# KiCad board 8851_HW-U1-VCU118_REV2-0_071417.kicad_pcb (continued)
## Routing (per net, layer and track width the routed paths; a pad name or vN(x,y) marks a point on that pad's centre or on a via; arc(x,y) is an arc through that point) (continued)
RLD3_C3_72B_DQ68: length 108.9
  TOP w0.15: 70.69,119.75 v2(70.2,120.24) ; v2(93.74,67.76) 94.23,67.27
  16_SIG5 w0.087: v2(70.2,120.24) 69.91,120.24 69.4,120.75 68.97,120.75 68.71,121.01 68.71,121.43 68.54,121.59
  16_SIG5 w0.138: v2(93.74,67.76) 93.38,67.4 90.79,67.4 85.19,73 83.7,73 82.2,74.49 82.07,74.49 81,75.56 81,83.45 79.77,84.68 78.25,84.68 76.53,86.41 76.53,86.77 77.14,87.38 77.5,87.38 77.78,87.1 78.18,87.1 78.54,87.47 78.54,87.8 78.23,88.11 78.23,88.48 78.46,88.71 78.46,89.09 78.1,89.46 77.75,89.46 75.8,87.5 75.43,87.5 75.07,87.87 75.07,88.23 75.61,88.77 75.61,89.13 75.25,89.49 74.88,89.49 74.34,88.96 73.98,88.96 73.05,89.89 73.05,93.27 72.28,94.05 71.2,94.05 70.78,94.47 70.78,97.75 70.74,97.79 70.74,99.02 70.32,99.44 63.94,99.44 62.69,100.68 62.69,104.48 61.59,105.59 59.78,105.59 58.05,107.32 58.05,110.95 57.38,111.62 57.38,113 57.58,113.2 57.99,113.2 58.17,113.39 58.17,114.03 57.63,114.58 56.42,114.58 55.26,115.74 55.26,121.11 55.55,121.4 59.12,121.4 60.34,121.4 60.76,121.82 61.78,121.82 63.3,120.3 67.17,120.3 67.42,120.55 67.42,121.56 67.65,121.79 68.34,121.79 68.54,121.59
RLD3_C3_72B_DQ69: length 113.1
  TOP w0.15: 69.71,116.8 v2(69.21,117.29) ; v2(96.69,66.77) 97.18,66.28
  TOP w0.375: U1.D25 v2(118.34,84.49)
  16_SIG5 w0.087: 92.9,68.92 93.22,69.24 93.94,69.24 94.23,68.95 94.23,68.54 94.52,68.25 95.91,68.25 96.2,67.96 96.2,67.55 96.49,67.27 97.07,67.27 97.12,67.21 97.12,66.85 97.05,66.77 v2(96.69,66.77) ; 67.83,115.81 68.51,115.81 68.72,116.03 68.72,116.62 69.21,117.11 v2(69.21,117.29)
  16_SIG5 w0.138: 92.9,68.92 91.6,68.92 85.13,75.39 84.36,75.39 84.22,75.53 83.77,75.53 83.77,75.54 83.62,75.54 83.25,75.91 83.25,84.03 82.2,85.08 82.2,86.22 82.43,86.45 83.08,86.45 83.3,86.67 83.3,86.99 83.08,87.22 82.43,87.22 82.2,87.45 82.2,87.77 82.43,87.99 83.08,87.99 83.3,88.22 83.3,88.54 83.08,88.77 82.43,88.77 82.2,88.99 82.2,89.65 81.15,90.71 81.15,97.63 80.63,98.14 76.24,98.14 76.01,98.38 76.01,99.02 75.75,99.27 75.75,100.76 75.44,101.08 75.09,101.08 74.82,100.8 74.82,99.7 74.56,99.44 73.94,99.44 73.79,99.6 73.79,100.64 73.53,100.9 73.01,100.9 72.76,100.64 72.76,100.35 72.51,100.1 71.99,100.1 71.73,100.36 71.73,100.44 71.47,100.7 70.72,100.7 70.72,100.7 69.67,100.7 69.67,100.7 67.57,100.7 67.34,100.92 67.34,101.38 67.12,101.6 66.81,101.6 66.59,101.38 66.59,100.92 66.36,100.7 66.05,100.7 65.83,100.92 65.83,101.67 65.62,101.88 65.31,101.88 65.07,101.64 65.07,100.92 64.85,100.7 64.48,100.7 63.84,101.35 63.84,104.84 61.99,106.69 61.99,109.24 61.51,109.71 61.51,110.69 61.12,111.08 59.7,111.08 59.2,111.58 59.2,114.45 58.06,115.59 58.06,116.71 57.8,116.97 57.25,116.97 56.88,117.35 56.88,117.88 57.39,118.39 58.34,118.39 58.53,118.58 58.53,119 58.81,119.27 59.17,119.27 59.27,119.17 59.27,118.77 59.4,118.65 59.7,118.65 59.8,118.75 59.8,119.1 59.98,119.27 60.95,119.27 61.08,119.14 61.08,118.89 61.22,118.75 61.63,118.75 61.77,118.89 61.77,119.14 61.91,119.27 62.4,119.27 62.83,118.85 66.5,118.85 66.65,118.7 66.65,118.01 66.34,117.7 66.34,117.07 67.59,115.81 67.83,115.81
RLD3_C3_72B_DQ70: length 111.9
  TOP w0.15: v2(96.69,67.76) 97.18,67.27 ; 69.71,118.77 v2(69.21,119.26)
  16_SIG5 w0.087: 72.72,122.85 72.92,122.65 72.92,121.77 72.67,121.52 72.67,121.03 72.95,120.75 73.32,120.75 73.63,120.44 73.63,119.09 74.92,117.8 75.42,117.8 75.63,117.59 75.63,117.09 75.91,116.81 76.3,116.81 76.6,116.52 76.6,110.2 76.6,110.2 76.6,107.73 77.22,107.1 ; 70.69,121.51 70.69,121.02 70.98,120.73 71.42,120.73 71.68,120.47 71.68,120.02 71.4,119.75 70.98,119.75 70.69,119.46 70.69,119.05 70.4,118.77 70,118.77 69.5,119.26 v2(69.21,119.26) ; v2(96.69,67.76) 96.78,67.76 97.28,68.25 97.88,68.25 98.17,68.54 98.17,70.92 97.88,71.2 97.47,71.2 97.18,71.49 97.18,71.9 96.89,72.19 96.49,72.19 96.2,72.48 96.2,72.88 95.91,73.17 95.5,73.17 95.21,73.46 95.21,73.87 94.93,74.16 94.52,74.16 94.23,74.44 94.23,74.85 93.94,75.14 93.21,75.14 92.9,75.45
  16_SIG5 w0.138: 92.9,75.45 88.92,79.42 88.92,92.09 89.8,92.97 89.8,94.9 87.82,96.88 87.5,96.88 87.19,97.19 87.19,97.94 87.64,98.39 87.64,99.19 85.96,100.87 85.96,101.76 80.75,106.97 77.35,106.97 77.22,107.1 ; 70.69,121.51 70.69,122.23 69.83,123.1 67.33,123.1 66.79,122.56 63.77,122.56 62.6,123.72 59.61,123.72 58.8,124.53 58.8,127.08 59.35,127.62 61.12,127.62 61.65,127.1 64.03,127.1 64.47,126.65 66.22,126.65 67.92,124.95 70.62,124.95 72.72,122.85
RLD3_C3_72B_DQ71: length 111.3
  TOP w0.15: v2(95.71,66.77) 96.2,66.28 ; 68.72,115.81 v2(68.23,116.31)
  16_SIG5 w0.087: v2(95.71,66.77) 95.42,66.77 94.93,67.27 94.52,67.27 94.23,67.55 94.23,67.96 93.94,68.25 93.2,68.25 93.11,68.16 92.9,68.16 ; v2(68.23,116.31) 68.23,116.61 68.71,117.09 68.71,118.47 68.43,118.75 67.83,118.75
  16_SIG5 w0.138: 67.83,118.75 67.7,118.75 66.9,119.55 63.15,119.55 61.51,121.19 61.02,121.19 60.7,120.86 60.65,120.81 58.7,120.81 58.44,120.55 58.44,119.94 57.93,119.42 57.3,119.42 57.08,119.65 57.08,120.42 56.92,120.58 56.33,120.58 56.08,120.33 56.08,118.7 55.78,118.4 55.78,117.6 57.25,116.12 57.25,115.68 58.69,114.24 58.69,107.41 60,106.1 61.8,106.1 63.2,104.7 63.2,101.12 64.26,100.07 69.94,100.07 69.94,100.07 70.59,100.07 71.28,99.38 72.62,99.38 72.89,99.11 72.89,98.28 73.62,97.55 80.1,97.55 80.35,97.31 80.35,94.3 80.09,94.04 75.96,94.04 75.68,93.76 75.68,93.24 75.91,93.01 80.09,93.01 80.35,92.75 80.35,85.24 81.47,84.12 82.14,84.12 82.49,83.77 82.49,75.4 83.71,74.18 85.2,74.18 91.23,68.16 92.9,68.16
RLD3_C3_72B_QK0_N: length 140.4
  TOP w0.142: U141.E8 v2(93.73,117.44) ; 102.1,81.05 v2(101.61,81.54)
  20_SIG7 w0.105: 100.5,116.8 100.47,116.8 100.42,116.85 95.33,116.85 95.11,117.08 95.11,117.72 94.87,117.96 94.44,117.96 94.27,117.78 94.27,117.61 94.1,117.44 v2(93.73,117.44)
  20_SIG7 w0.128: 106.93,87.69 106.93,86.22 106.7,85.98 106.29,85.98 106.1,85.79 106.1,85.31 105.79,85 105.36,85 105.1,84.74 105.1,84.21 104.89,83.99 104.32,83.99 104.05,83.72 104.05,83.33 103.71,82.99 103.39,82.99 103.12,82.72 103.12,82.31 102.84,82.03 102.47,82.03 102.08,81.64 102.08,81.17 101.93,81.02 101.68,81.02 101.61,81.09 v2(101.61,81.54)
  20_SIG7 w0.138: 106.93,87.69 107.35,88.11 107.35,92.9 107.83,93.38 110.22,93.38 110.63,92.97 110.63,92.33 110.33,92.03 108.89,92.03 108.67,91.81 108.67,90 108.83,89.85 110.07,89.85 110.26,90.04 110.26,90.23 109.87,90.62 109.87,91.07 110.24,91.44 110.68,91.44 111.07,91.04 111.27,91.04 112.25,92.03 112.25,92.22 111.1,93.37 111.1,93.81 111.47,94.18 111.91,94.18 113.06,93.03 113.26,93.03 113.38,93.15 113.38,95.91 114.41,96.94 116.52,96.94 116.86,97.29 116.86,97.74 116.06,98.54 116.06,99.01 116.78,99.72 116.78,100.42 116.52,100.67 116.36,100.67 115.88,101.15 115.88,108.4 114.8,109.48 114.8,112.66 115.2,113.06 115.2,113.75 115.02,113.93 113.87,113.93 113.55,114.25 113.55,114.75 113.94,115.15 115.02,115.15 115.2,115.33 115.2,115.58 115.02,115.76 113.99,115.76 113.65,116.1 113.65,116.6 114.03,116.98 115.02,116.98 115.2,117.16 115.2,117.58 115.85,118.23 115.85,120.13 115.12,120.85 113.85,120.85 113.7,120.7 113.7,120.45 113.92,120.22 114.7,120.22 115.11,119.82 115.11,118.46 114.79,118.14 114.14,118.14 113.83,118.46 113.83,118.77 113.62,118.97 111.88,118.97 111.5,119.35 111.5,123 111.83,123.33 112.42,123.33 112.73,123.01 112.73,122.26 112.93,122.07 113.46,122.07 113.6,122.21 113.6,122.77 113.91,123.08 114.43,123.08 114.75,122.77 114.75,122.21 114.88,122.07 115.39,122.07 115.6,122.27 115.6,122.77 114.72,123.64 114.72,124.02 114.22,124.53 114.02,124.53 113.61,124.13 113.17,124.13 112.8,124.5 112.8,124.94 113.21,125.35 113.21,125.54 108.06,130.69 107.37,130.69 107.23,130.56 107.23,130.24 106.91,129.92 106.39,129.92 106.08,130.24 106.08,130.56 105.94,130.69 105.08,130.69 104.61,130.22 104.61,124.56 104.06,124.01 104.06,121.92 103.75,121.6 102.96,121.6 102.82,121.47 102.82,121.19 102.96,121.05 103.75,121.05 104.06,120.74 104.06,120.22 103.75,119.9 102.96,119.9 102.82,119.77 102.82,119.49 102.96,119.35 103.75,119.35 104.06,119.04 104.06,118.54 103.12,117.6 101.76,117.6 101.57,117.41 101.57,117.06 101.3,116.8 100.5,116.8
RLD3_C3_72B_QK0_P: length 140.3
  TOP w0.142: U141.D9 v2(94.71,118.43) ; 102.1,80.06 v2(101.61,80.55)
  20_SIG7 w0.105: 100.5,117.1 100.47,117.1 100.42,117.05 95.41,117.05 95.31,117.16 95.31,117.8 94.71,118.4 v2(94.71,118.43)
  20_SIG7 w0.128: 108.07,87.68 108.07,86.3 107.66,85.88 107.34,85.88 107.07,85.61 107.07,85.31 106.79,85.03 106.34,85.03 106.05,84.75 106.05,84.32 105.74,84.01 105.42,84.01 105.1,83.69 105.1,83.35 104.77,83.01 104.4,83.01 104.11,82.73 104.11,82.34 103.84,82.07 103.4,82.07 103.11,81.79 103.11,81.43 102.76,81.08 102.4,81.08 101.88,80.55 v2(101.61,80.55)
  20_SIG7 w0.138: 108.07,87.68 107.65,88.11 107.65,92.78 107.95,93.08 110.1,93.08 110.33,92.84 110.33,92.46 110.2,92.33 108.77,92.33 108.38,91.93 108.38,89.88 108.71,89.55 110.2,89.55 110.56,89.91 110.56,90.35 110.17,90.75 110.17,90.94 110.36,91.14 110.56,91.14 110.95,90.74 111.39,90.74 112.55,91.9 112.55,92.34 111.4,93.5 111.4,93.69 111.59,93.88 111.79,93.88 112.94,92.73 113.38,92.73 113.68,93.03 113.68,95.79 114.54,96.64 116.64,96.64 117.16,97.16 117.16,97.87 116.36,98.66 116.36,98.89 117.08,99.6 117.08,100.55 116.65,100.97 116.48,100.97 116.18,101.28 116.18,108.52 115.1,109.61 115.1,112.53 115.5,112.94 115.5,113.88 115.14,114.23 113.99,114.23 113.85,114.37 113.85,114.63 114.07,114.85 115.14,114.85 115.5,115.2 115.5,115.71 115.14,116.06 114.11,116.06 113.95,116.22 113.95,116.48 114.15,116.68 115.14,116.68 115.5,117.03 115.5,117.46 116.15,118.11 116.15,120.25 115.25,121.15 113.72,121.15 113.4,120.83 113.4,120.33 113.8,119.92 114.58,119.92 114.81,119.69 114.81,118.58 114.67,118.44 114.27,118.44 114.12,118.59 114.12,118.9 113.75,119.27 112,119.27 111.8,119.47 111.8,122.87 111.95,123.02 112.3,123.02 112.43,122.89 112.43,122.14 112.8,121.77 113.58,121.77 113.9,122.08 113.9,122.65 114.03,122.78 114.31,122.78 114.45,122.65 114.45,122.08 114.76,121.77 115.52,121.77 115.9,122.15 115.9,122.89 115.03,123.77 115.03,124.15 114.34,124.83 113.9,124.83 113.49,124.43 113.3,124.43 113.1,124.62 113.1,124.82 113.51,125.22 113.51,125.67 108.18,130.99 107.24,130.99 106.93,130.68 106.93,130.36 106.79,130.22 106.52,130.22 106.38,130.36 106.38,130.68 106.06,130.99 104.96,130.99 104.31,130.35 104.31,124.68 103.76,124.13 103.76,122.04 103.62,121.9 102.83,121.9 102.52,121.59 102.52,121.07 102.83,120.75 103.62,120.75 103.76,120.62 103.76,120.34 103.62,120.2 102.83,120.2 102.52,119.89 102.52,119.37 102.83,119.05 103.62,119.05 103.76,118.92 103.76,118.66 103,117.9 101.63,117.9 101.27,117.54 101.27,117.19 101.18,117.1 100.5,117.1
RLD3_C3_72B_QK1_N: length 142
  TOP w0.142: U141.J8 v2(93.73,112.52) ; v2(97.67,75.63) 98.17,75.14
  18_SIG6 w0.105: v2(93.73,112.52) 93.83,112.63 94.18,112.63 94.27,112.54 94.27,112.25 94.14,112.12 93.4,112.12 92.96,111.69 92.96,111.33 92.94,111.3 92.94,111.28 ; 100.13,83.22 100.13,83.01 100.02,82.89 100.02,82.37 99.8,82.15 99.37,82.15 99.05,81.82 99.05,81.33 98.86,81.14 98.38,81.14 98.07,80.83 98.07,80.37 97.86,80.16 97.36,80.16 97.08,79.89 97.08,79.36 96.9,79.18 96.41,79.18 96.1,78.86 96.1,77.28 96.37,77.01 96.9,77.01 97.08,76.82 97.08,76.33 97.39,76.03 97.93,76.03 98.07,75.89 98.07,75.74 97.96,75.63 v2(97.67,75.63)
  18_SIG6 w0.106: 92.94,111.28 92.94,107.36 93.5,106.81 93.5,106.77 93.52,106.75
  18_SIG6 w0.128: 100.13,83.22 100.13,85.72 100.35,85.94 100.81,85.94 101.08,86.21 101.08,86.8 101.23,86.95 101.82,86.95 102.1,87.24 102.1,87.67
  18_SIG6 w0.138: 102.1,87.67 102.45,88.03 102.45,88.3 102.88,88.72 104.05,88.72 104.23,88.9 104.23,89.22 103.97,89.47 103.06,89.47 102.8,89.73 102.8,90.27 103.15,90.62 104.5,90.62 104.65,90.78 104.65,91.35 104.42,91.58 103.15,91.58 102.9,91.83 102.9,92.47 103.17,92.75 103.98,92.75 104.23,93 104.23,93.32 103.75,93.8 101.53,93.8 101.35,93.62 101.35,92.9 101.42,92.83 101.8,92.83 102.17,92.45 102.17,91.75 101.77,91.35 101.48,91.35 101.35,91.22 101.35,90.7 101.45,90.6 101.77,90.6 102.17,90.2 102.17,88.98 101.15,87.95 99.6,87.95 98.78,88.78 98.78,89.69 100.03,90.94 100.03,93.09 99.82,93.3 98.44,93.3 98.06,93.68 98.06,94.34 98.44,94.72 100.34,94.72 100.51,94.89 100.51,95.3 100.28,95.54 98.89,95.54 98.53,95.9 98.53,98.15 98.37,98.31 98.31,98.31 97.92,98.69 97.92,99.35 98.31,99.73 98.37,99.73 98.57,99.93 98.57,102.84 99.02,103.29 100.49,103.29 101.15,102.62 101.97,102.62 102.26,102.91 102.26,103.14 101.31,104.08 101.31,104.58 101.75,105.01 102.22,105.01 103.46,103.77 103.71,103.77 104.11,104.18 104.11,104.45 103.42,105.14 103.42,106.09 105.02,107.68 105.02,108.87 106.25,110.1 106.25,111.09 106.8,111.63 106.8,112.12 106.29,112.62 106.29,113.36 106.8,113.87 106.8,114.36 106.29,114.86 106.29,119.12 105.89,119.52 105.38,119.52 104.72,120.18 104.72,120.84 103.22,122.34 102.95,122.34 102.77,122.16 102.77,121.25 102.99,121.02 103.67,121.02 104.03,120.67 104.03,120.03 103.47,119.47 103.47,118.67 104.31,117.83 104.77,117.83 105.15,117.45 105.15,116.79 104.77,116.41 104.04,116.41 103.85,116.22 103.85,115.2 104.07,114.97 105.01,114.97 105.39,114.59 105.39,113.93 105.01,113.55 104.07,113.55 103.93,113.41 103.93,112.99 104.66,112.26 105.08,112.26 105.51,111.84 105.51,110.94 105.13,110.56 104.31,110.56 104.11,110.36 104.11,108.57 99.68,104.14 99.14,104.14 98.83,104.45 98.83,104.83 98.7,104.95 98.17,104.95 98.08,104.85 98.08,104.47 97.74,104.14 97.16,104.14 96.62,104.68 95.92,104.68 95.44,105.16 95.44,105.67 94.99,106.12 94.15,106.12 93.52,106.75
RLD3_C3_72B_QK1_P: length 141.9
  TOP w0.142: v2(98.66,75.63) 99.15,75.14 ; U141.K9 v2(94.71,111.54)
  18_SIG6 w0.105: 100.36,82.95 100.22,82.81 100.22,82.28 99.88,81.95 99.45,81.95 99.25,81.74 99.25,81.25 98.95,80.94 98.46,80.94 98.27,80.75 98.27,80.28 97.95,79.96 97.44,79.96 97.28,79.8 97.28,79.28 96.98,78.98 96.49,78.98 96.3,78.78 96.3,77.37 96.46,77.21 96.98,77.21 97.28,76.9 97.28,76.41 97.47,76.23 98.01,76.23 98.27,75.97 98.27,75.74 98.37,75.63 v2(98.66,75.63) ; v2(94.71,111.54) 94.32,111.92 93.48,111.92 93.16,111.61 93.16,111.33 93.19,111.3 93.19,111.28
  18_SIG6 w0.106: 93.73,106.96 93.71,106.98 93.67,106.98 93.19,107.47 93.19,111.28
  18_SIG6 w0.128: 100.36,82.95 100.42,83.01 100.97,83.01 101.12,83.17 101.12,85.68 101.41,85.97 101.82,85.97 102.1,86.26 102.1,86.66 102.39,86.95 102.8,86.95 103.09,87.24 103.09,87.65
  18_SIG6 w0.138: 93.73,106.96 94.27,106.42 95.12,106.42 95.74,105.79 95.74,105.28 96.05,104.98 96.75,104.98 97.29,104.44 97.61,104.44 97.78,104.6 97.78,104.97 98.05,105.25 98.83,105.25 99.12,104.95 99.12,104.58 99.26,104.44 99.55,104.44 103.81,108.69 103.81,110.48 104.19,110.86 105,110.86 105.21,111.07 105.21,111.71 104.96,111.96 104.54,111.96 103.63,112.87 103.63,113.53 103.95,113.85 104.89,113.85 105.09,114.05 105.09,114.46 104.88,114.67 103.95,114.67 103.55,115.07 103.55,116.35 103.91,116.71 104.64,116.71 104.85,116.91 104.85,117.32 104.64,117.53 104.19,117.53 103.17,118.55 103.17,119.59 103.72,120.15 103.72,120.55 103.55,120.72 102.87,120.72 102.47,121.12 102.47,122.28 102.83,122.64 103.35,122.64 105.02,120.97 105.02,120.3 105.51,119.82 106.02,119.82 106.59,119.25 106.59,114.99 107.1,114.48 107.1,113.74 106.59,113.24 106.59,112.75 107.1,112.24 107.1,111.5 106.55,110.96 106.55,109.98 105.32,108.74 105.32,107.56 103.72,105.96 103.72,105.27 104.41,104.58 104.41,104.05 103.83,103.47 103.34,103.47 102.1,104.71 101.87,104.71 101.61,104.46 101.61,104.21 102.56,103.26 102.56,102.79 102.09,102.32 101.03,102.32 100.36,102.99 99.14,102.99 98.87,102.72 98.87,99.81 98.49,99.43 98.43,99.43 98.22,99.22 98.22,98.81 98.43,98.61 98.49,98.61 98.83,98.27 98.83,96.02 99.01,95.84 100.4,95.84 100.81,95.42 100.81,94.77 100.46,94.42 98.57,94.42 98.36,94.21 98.36,93.8 98.57,93.6 99.95,93.6 100.33,93.22 100.33,90.82 99.08,89.57 99.08,88.9 99.72,88.25 101.03,88.25 101.88,89.1 101.88,90.08 101.65,90.3 101.33,90.3 101.05,90.58 101.05,91.34 101.36,91.65 101.65,91.65 101.88,91.88 101.88,92.33 101.67,92.52 101.3,92.52 101.05,92.77 101.05,93.75 101.4,94.1 103.87,94.1 104.53,93.45 104.53,92.88 104.1,92.45 103.3,92.45 103.2,92.35 103.2,91.95 103.27,91.88 104.55,91.88 104.95,91.47 104.95,90.65 104.62,90.32 103.28,90.32 103.1,90.15 103.1,89.86 103.18,89.77 104.1,89.77 104.53,89.35 104.53,88.78 104.17,88.42 103,88.42 102.75,88.18 102.75,87.98 103.09,87.65
RLD3_C3_72B_QK2_N: length 139
  TOP w0.142: v2(96.69,80.55) 97.18,80.06 ; U141.E6 v2(90.78,117.44)
  16_SIG5 w0.105: 95.32,107.6 94.69,107.6 94.67,107.62 94.47,107.62 94.1,107.99 93.06,107.99 92.08,108.98 90.52,108.98 90.18,109.31 90.18,114.13 91.17,115.11 91.17,117.67 91,117.84 90.33,117.84 90.27,117.78 90.27,117.54 90.37,117.44 v2(90.78,117.44)
  16_SIG5 w0.106: 95.32,107.6 95.8,107.6 96.59,106.81 96.59,106.77 96.61,106.75
  16_SIG5 w0.128: 97.3,87.87 97.18,87.76 97.18,80.65 97.08,80.55 v2(96.69,80.55)
  16_SIG5 w0.138: 96.61,106.75 96.92,106.43 96.92,105.67 97.65,104.95 100.09,104.95 101.05,105.9 101.05,108.4 100.47,108.97 100.47,109.37 101.08,109.97 101.08,110.61 100.47,111.21 100.47,111.61 101.08,112.21 101.08,112.96 100.5,113.53 100.5,113.95 101.08,114.53 101.08,115.2 100.5,115.77 100.5,116.19 101.08,116.77 101.08,117.44 100.5,118.01 100.5,118.39 101.08,118.96 101.08,119.92 100.62,120.38 99.67,120.38 99.5,120.55 99.5,121.2 99.68,121.38 101.35,121.38 101.77,121.8 102.4,121.8 102.91,122.31 102.91,123.12 102.61,123.42 99.28,123.42 99.14,123.56 99.14,124.97 99.64,125.46 100.32,125.46 100.45,125.33 100.45,124.26 100.77,123.95 101.29,123.95 101.6,124.26 101.6,125.33 101.74,125.46 102.43,125.46 103.19,126.22 103.19,127.29 103.36,127.46 104.07,127.46 104.23,127.3 104.23,127.1 103.91,126.78 103.91,126.34 104.28,125.97 104.73,125.97 105.04,126.29 105.24,126.29 106.88,124.65 106.88,121.77 106.26,121.16 106.26,120.5 106.64,120.12 106.7,120.12 106.88,119.94 106.88,119.48 106.74,119.34 106.04,119.34 105.72,119.03 105.72,118.37 106.04,118.05 106.74,118.05 106.88,117.91 106.88,116.21 106.64,115.97 105.5,115.97 105.17,116.3 105.17,116.54 104.86,116.85 104.3,116.85 103.8,116.35 103.8,114.75 104.31,114.24 106.66,114.24 106.85,114.05 106.85,113.43 106.62,113.19 104.9,113.19 104.55,112.84 104.55,111.91 104.94,111.52 106.73,111.52 106.88,111.37 106.88,111.07 106.71,110.9 104.61,110.9 103.31,109.6 103.31,108.41 103.61,108.11 104.35,108.11 104.5,107.96 104.5,105.3 101.57,102.37 98.89,102.37 98.58,102.06 98.58,101.34 99.16,100.75 99.78,100.75 100.03,100.5 100.03,99.7 100.41,99.31 100.52,99.31 100.72,99.11 100.72,98.73 100.49,98.49 100.41,98.49 100.03,98.11 100.03,97.14 99.82,96.94 99.68,96.94 99.3,96.55 99.3,95.9 99.68,95.52 100.17,95.52 100.42,95.26 100.42,94.85 100.27,94.69 99.68,94.69 99.3,94.31 99.3,93.66 99.68,93.27 99.82,93.27 100.03,93.07 100.03,91.57 98.69,90.24 97.48,89.03 97.48,88.05 97.3,87.87
RLD3_C3_72B_QK2_P: length 139.3
  TOP w0.142: U141.D5 v2(89.79,118.43) ; 98.17,80.06 v2(97.67,80.55)
  16_SIG5 w0.105: v2(89.79,118.43) 90.18,118.04 91.08,118.04 91.37,117.76 91.37,115.03 90.38,114.05 90.38,109.4 90.6,109.18 92.16,109.18 93.15,108.19 94.18,108.19 94.55,107.82 94.67,107.82 94.69,107.84 95.32,107.84
  16_SIG5 w0.106: 95.32,107.84 95.9,107.84 96.76,106.98 96.8,106.98 96.82,106.96
  16_SIG5 w0.128: 97.99,87.94 98.16,87.77 98.16,81.34 97.67,80.85 v2(97.67,80.55)
  16_SIG5 w0.138: 97.99,87.94 97.78,88.16 97.78,88.9 100.33,91.45 100.33,93.19 99.94,93.58 99.81,93.58 99.6,93.78 99.6,94.19 99.81,94.39 100.39,94.39 100.72,94.73 100.72,95.38 100.29,95.81 99.81,95.81 99.6,96.02 99.6,96.43 99.81,96.63 99.94,96.63 100.33,97.02 100.33,97.99 100.53,98.19 100.61,98.19 101.03,98.61 101.03,99.23 100.64,99.61 100.53,99.61 100.33,99.82 100.33,100.62 99.9,101.05 99.29,101.05 98.88,101.46 98.88,101.94 99.01,102.07 101.69,102.07 104.8,105.18 104.8,108.08 104.47,108.41 103.73,108.41 103.61,108.53 103.61,109.47 104.73,110.6 106.83,110.6 107.17,110.94 107.17,111.5 106.85,111.82 105.06,111.82 104.85,112.04 104.85,112.72 105.03,112.89 106.74,112.89 107.15,113.3 107.15,114.17 106.78,114.54 104.43,114.54 104.1,114.88 104.1,116.22 104.42,116.55 104.74,116.55 104.88,116.41 104.88,116.17 105.38,115.67 106.76,115.67 107.17,116.09 107.17,118.04 106.86,118.35 106.16,118.35 106.03,118.49 106.03,118.9 106.16,119.04 106.86,119.04 107.17,119.35 107.17,120.07 106.82,120.42 106.76,120.42 106.56,120.62 106.56,121.03 107.17,121.65 107.17,124.77 105.36,126.59 104.92,126.59 104.6,126.27 104.41,126.27 104.21,126.46 104.21,126.66 104.53,126.98 104.53,127.42 104.19,127.76 103.23,127.76 102.89,127.42 102.89,126.34 102.31,125.76 101.62,125.76 101.3,125.45 101.3,124.39 101.17,124.25 100.89,124.25 100.75,124.39 100.75,125.45 100.44,125.76 99.51,125.76 98.84,125.09 98.84,123.43 99.15,123.12 102.48,123.12 102.61,122.99 102.61,122.43 102.27,122.1 101.65,122.1 101.23,121.68 99.51,121.68 99.2,121.37 99.2,120.42 99.55,120.08 100.5,120.08 100.78,119.8 100.78,119.13 100.17,118.53 100.17,117.92 100.78,117.31 100.78,116.89 100.17,116.29 100.17,115.68 100.78,115.07 100.78,114.65 100.17,114.05 100.17,113.44 100.78,112.83 100.78,112.33 100.14,111.7 100.14,111.07 100.78,110.44 100.78,110.09 100.14,109.46 100.14,108.83 100.75,108.23 100.75,106.02 99.97,105.25 97.77,105.25 97.22,105.8 97.22,106.56 96.82,106.96
RLD3_C3_72B_QK3_N: length 140.6
  TOP w0.142: U141.J6 v2(90.78,112.52) ; 96.2,78.09 v2(95.71,78.59)
  14_SIG4 w0.105: v2(90.78,112.52) 91.17,112.13 92.19,112.13 92.45,111.87 92.45,110.78 93.07,110.16 99.99,110.16 100.18,110.35 100.18,110.75 100.13,110.8 100.13,110.83 ; 100.32,82.83 100.24,82.76 100.24,82.31 99.88,81.95 99.41,81.95 99.25,81.79 99.25,81.28 98.92,80.95 98.41,80.95 98.27,80.8 98.27,78.34 97.92,77.99 96.3,77.99 v2(95.71,78.59)
  14_SIG4 w0.128: 100.32,82.83 100.48,83 100.82,83 101.17,83.35 101.17,83.73 101.43,84 101.74,84 102.04,84.3 102.04,84.64 102.41,85.02 102.76,85.02 103.02,85.27 103.02,87.76 102.74,88.03
  14_SIG4 w0.138: 102.74,88.03 102.74,88.37 103.94,89.57 103.94,91.22 105.47,92.75 105.47,94.31 104.05,95.73 104.05,96.8 103.3,97.55 103.3,98.02 104.95,99.67 104.95,100.35 106.33,101.72 106.33,102.5 106.92,103.1 107.89,103.1 108.46,103.66 108.46,105.5 108.18,105.77 108.18,106.28 110.15,108.25 110.15,110.67 111,111.52 111,121.32 103.02,129.31 100.91,129.31 100.67,129.54 100.67,130.17 100.3,130.54 99.64,130.54 99.33,130.23 99.33,129.44 99.19,129.3 98.91,129.3 98.78,129.43 98.78,130.23 98.46,130.54 97.94,130.54 97.63,130.23 97.63,129.76 97.49,129.62 97.22,129.62 97.08,129.76 97.08,130.23 96.76,130.54 95.36,130.54 95.04,130.23 95.04,129.8 94.91,129.66 94.63,129.66 94.49,129.8 94.49,130.23 94.18,130.54 93.66,130.54 93.34,130.23 93.34,129.8 93.21,129.66 92.93,129.66 92.79,129.8 92.79,130.23 92.48,130.54 90.24,130.54 88.75,129.05 87.92,129.05 87.08,128.2 87.08,125.98 86.91,125.81 82.62,125.81 82.27,125.46 82.27,124.87 82.7,124.45 87.52,124.45 88.35,123.62 91.11,123.62 91.38,123.35 91.38,122.75 92.25,121.88 98.88,121.88 99.34,121.41 99.34,120.56 100.13,119.77 100.13,110.83
RLD3_C3_72B_QK3_P: length 140.7
  TOP w0.142: 97.18,78.09 v2(96.69,78.59) ; U141.K5 v2(89.79,111.54)
  14_SIG4 w0.105: 100.43,110.83 100.43,110.8 100.38,110.75 100.38,110.27 100.07,109.96 92.99,109.96 92.25,110.7 92.25,111.79 92.11,111.93 91.08,111.93 90.89,112.12 90.53,112.12 89.94,111.54 v2(89.79,111.54) ; v2(96.69,78.59) 96.58,78.7 96.26,78.7 96.15,78.59 96.15,78.43 96.38,78.19 97.84,78.19 98.07,78.42 98.07,80.89 98.33,81.15 98.83,81.15 99.05,81.36 99.05,81.87 99.33,82.15 99.8,82.15 100.04,82.39 100.04,83.01 ; 91.91,122.64 92.37,122.17
  14_SIG4 w0.128: 100.04,83.01 100.04,83.67 100.37,84 100.91,84 101.17,84.26 101.17,84.78 101.36,84.96 101.81,84.96 102.12,85.28 102.12,87.72 102.44,88.03
  14_SIG4 w0.138: 102.44,88.03 102.44,88.49 103.64,89.69 103.64,91.34 105.17,92.88 105.17,94.18 103.75,95.61 103.75,96.68 103,97.43 103,98.15 104.65,99.8 104.65,100.47 106.03,101.85 106.03,102.62 106.8,103.4 107.76,103.4 108.16,103.79 108.16,105.37 107.88,105.65 107.88,106.4 109.85,108.38 109.85,110.8 110.7,111.65 110.7,121.2 102.89,129.01 100.79,129.01 100.37,129.42 100.37,130.04 100.18,130.24 99.77,130.24 99.63,130.1 99.63,129.32 99.31,129 98.79,129 98.48,129.31 98.48,130.1 98.34,130.24 98.07,130.24 97.93,130.1 97.93,129.63 97.61,129.32 97.09,129.32 96.78,129.63 96.78,130.1 96.64,130.24 95.48,130.24 95.34,130.1 95.34,129.67 95.03,129.36 94.51,129.36 94.19,129.67 94.19,130.1 94.06,130.24 93.78,130.24 93.64,130.1 93.64,129.67 93.33,129.36 92.81,129.36 92.49,129.67 92.49,130.1 92.36,130.24 90.37,130.24 88.88,128.75 88.05,128.75 87.38,128.08 87.38,125.85 87.03,125.51 82.74,125.51 82.57,125.33 82.57,125 82.82,124.75 87.64,124.75 88.48,123.92 91.24,123.92 91.68,123.47 91.68,122.87 91.91,122.64 ; 92.37,122.17 99,122.17 99.64,121.54 99.64,120.69 100.43,119.89 100.43,110.83
RLD3_C3_72B_QK4_N: length 120.3
  TOP w0.142: v2(107.52,67.76) 108.01,67.27 ; 76.6,113.85 v2(77.09,113.35)
  14_SIG4 w0.105: v2(107.52,67.76) 107.57,67.76 108.17,68.35 108.77,68.35 109.09,68.03 109.09,65.23 108.11,64.25 108.11,63.52 107.82,63.23 107.3,63.23 107.12,63.05 107.12,61.57 106.82,61.26 93.47,61.26 93.16,61.58 92.94,61.58 92.9,61.54 ; 73.8,107.33 73.87,107.33 74.42,107.89 74.42,111.64 74.76,111.98 77.27,111.98 77.48,112.19 77.48,112.96 v2(77.09,113.35)
  14_SIG4 w0.138: 92.9,61.54 91.25,61.54 90.39,60.67 85.38,60.67 84.54,61.51 81.09,61.51 80.37,62.24 80.37,64.8 79.61,65.55 71.55,65.55 70.17,66.93 70.17,69.4 69.78,69.8 67.1,69.8 66.35,70.55 66.35,88.15 64.97,89.53 64.97,95.6 64.42,96.15 64.42,100.25 63.83,100.85 63.83,104.66 64.33,105.17 67.78,105.17 69.61,107 70.57,107 70.92,106.65 70.92,104.06 71.04,103.94 71.38,103.94 71.55,104.11 71.55,106.53 71.93,106.9 73.37,106.9 73.8,107.33
RLD3_C3_72B_QK4_P: length 120.2
  TOP w0.142: 77.58,112.86 v2(78.07,112.37) ; v2(108.5,67.76) 108.99,67.27
  14_SIG4 w0.105: 92.9,61.84 92.91,61.84 92.97,61.78 93.24,61.78 93.56,61.46 106.73,61.46 106.92,61.65 106.92,63.14 107.22,63.43 107.73,63.43 107.91,63.6 107.91,64.33 108.19,64.61 108.19,64.81 108.42,65.04 108.62,65.04 108.89,65.32 108.89,67.95 108.69,68.15 108.25,68.15 108.02,67.92 108.02,67.82 108.07,67.76 v2(108.5,67.76) ; 73.99,107.1 74.01,107.12 74.01,107.19 74.06,107.24 74.22,107.24 74.44,107.03 74.59,107.03 74.74,107.18 74.74,107.32 74.52,107.54 74.52,107.7 74.62,107.81 74.62,111.55 74.85,111.78 77.35,111.78 77.68,112.11 77.68,112.85 77.79,112.95 77.94,112.95